# Altium PCB Zeus_PCB_Proto1.PcbDoc
Units mm, origin at the board's own origin, x right, y up, seen from the top; angles counter-clockwise.
Board outline 61.78 x 49.01 mm, 2 copper layers (Top Layer, Bottom Layer); 57 components, 44 nets, 219 pads, 34 vias.
Unrouted connection lines stored in the file: 20.
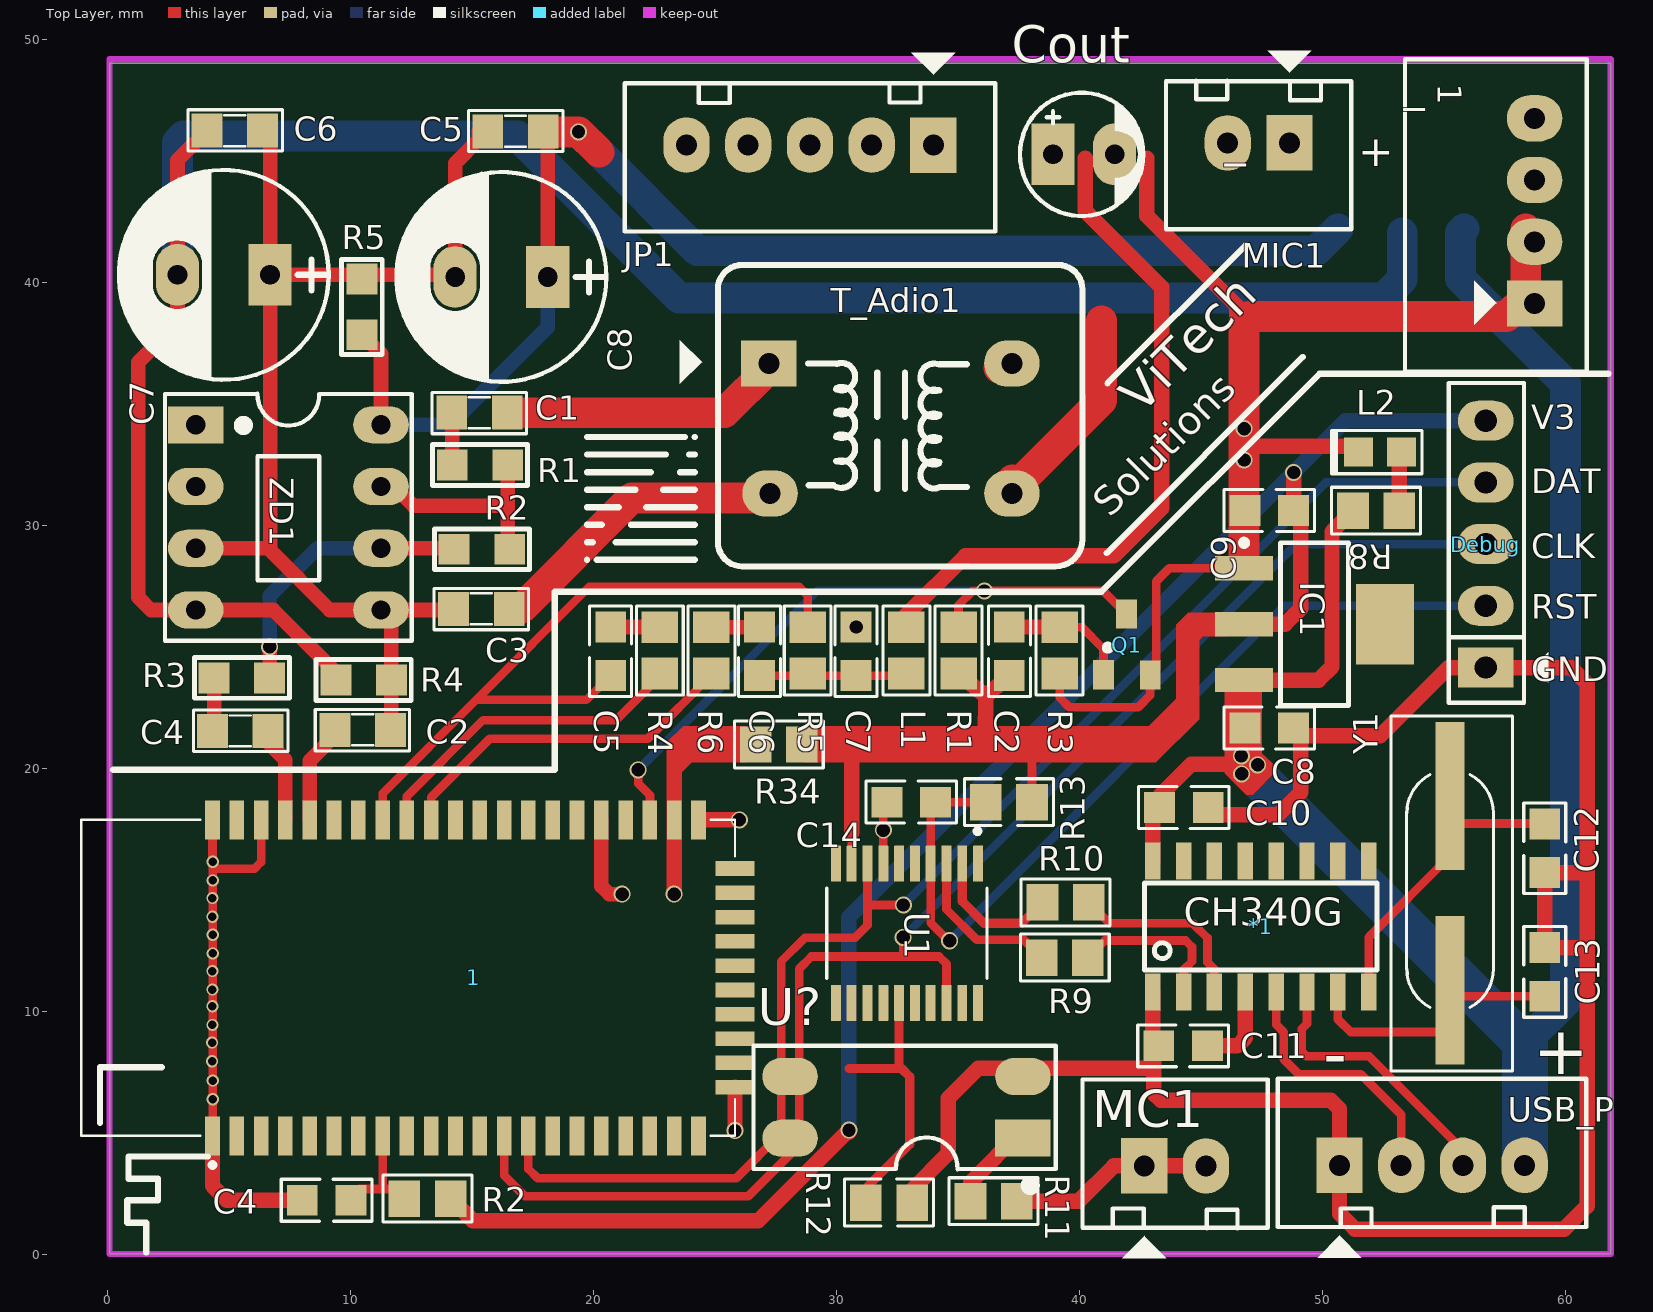
[diagram p0: Top Layer view]
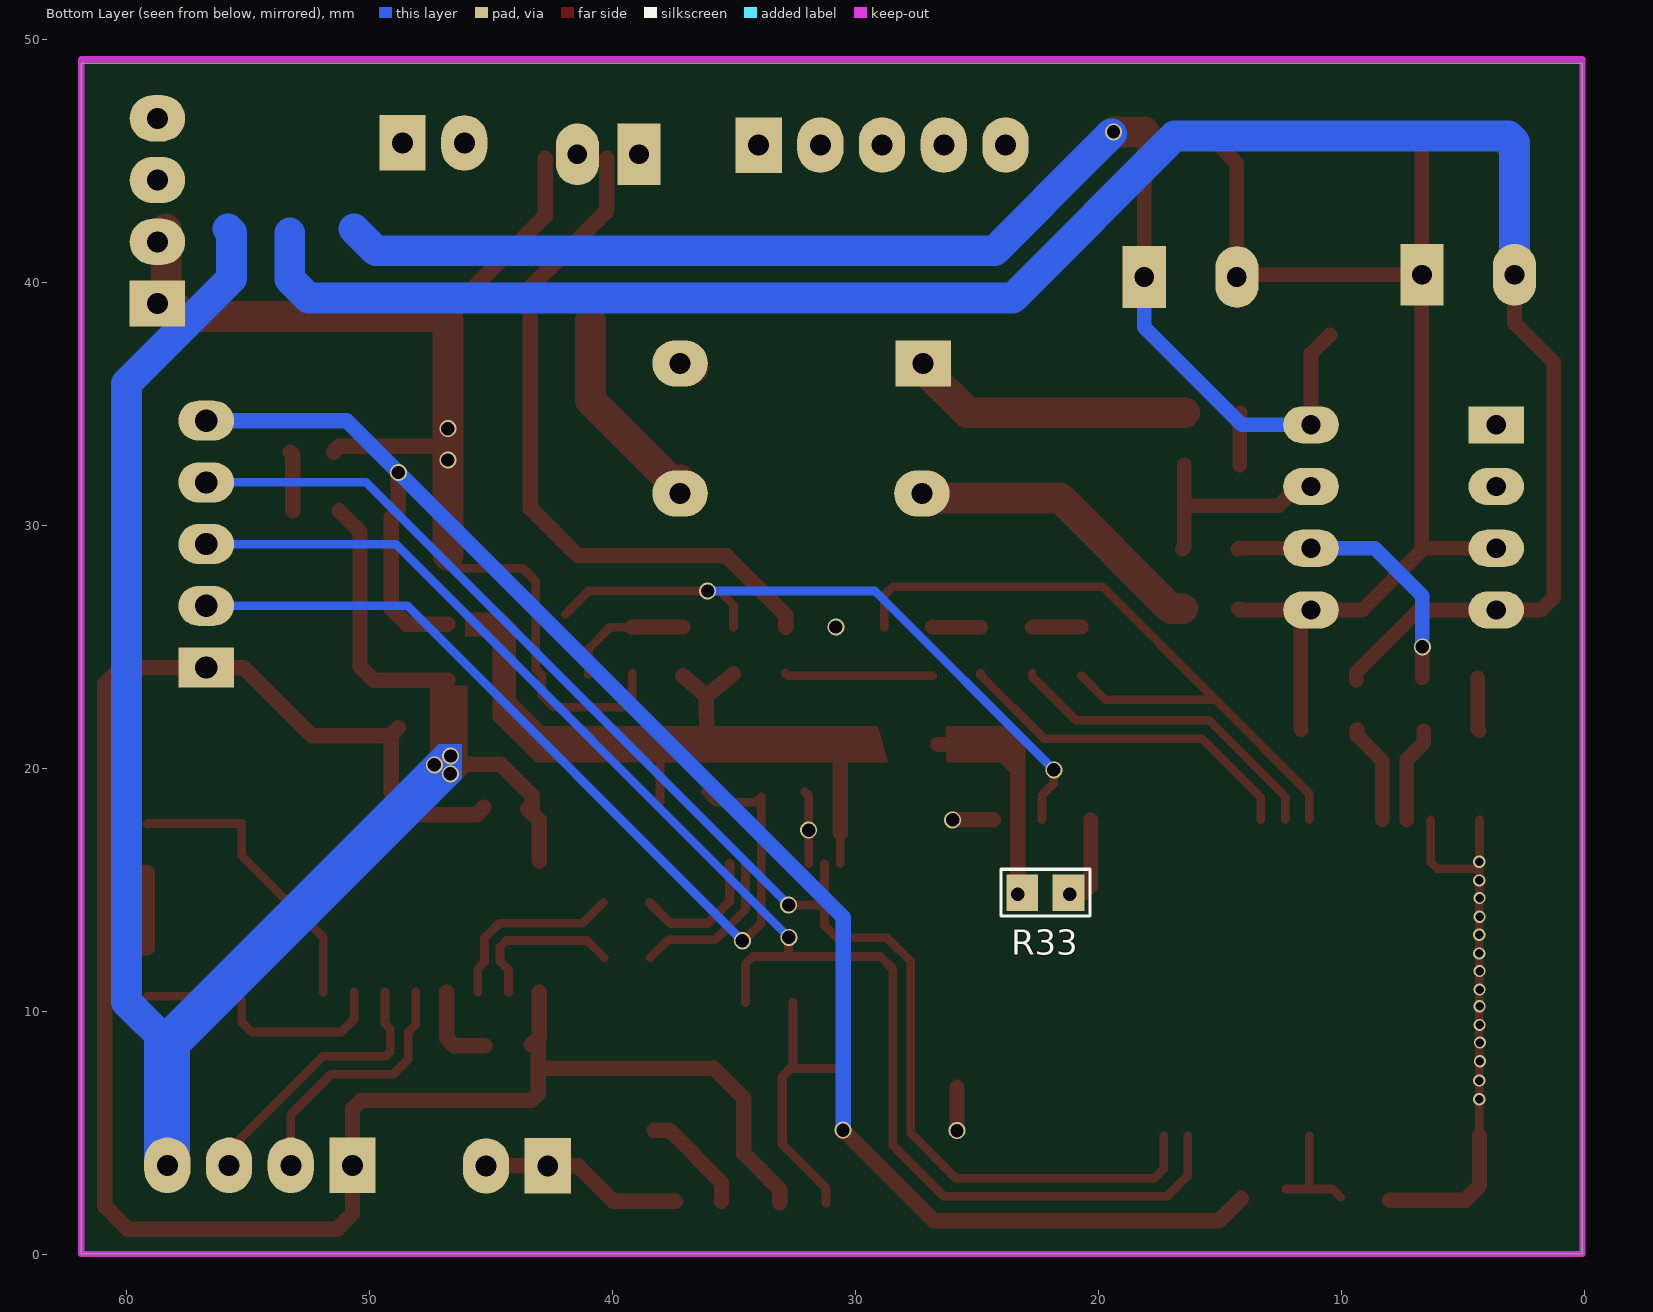
[diagram p1: Bottom Layer view, seen from below]
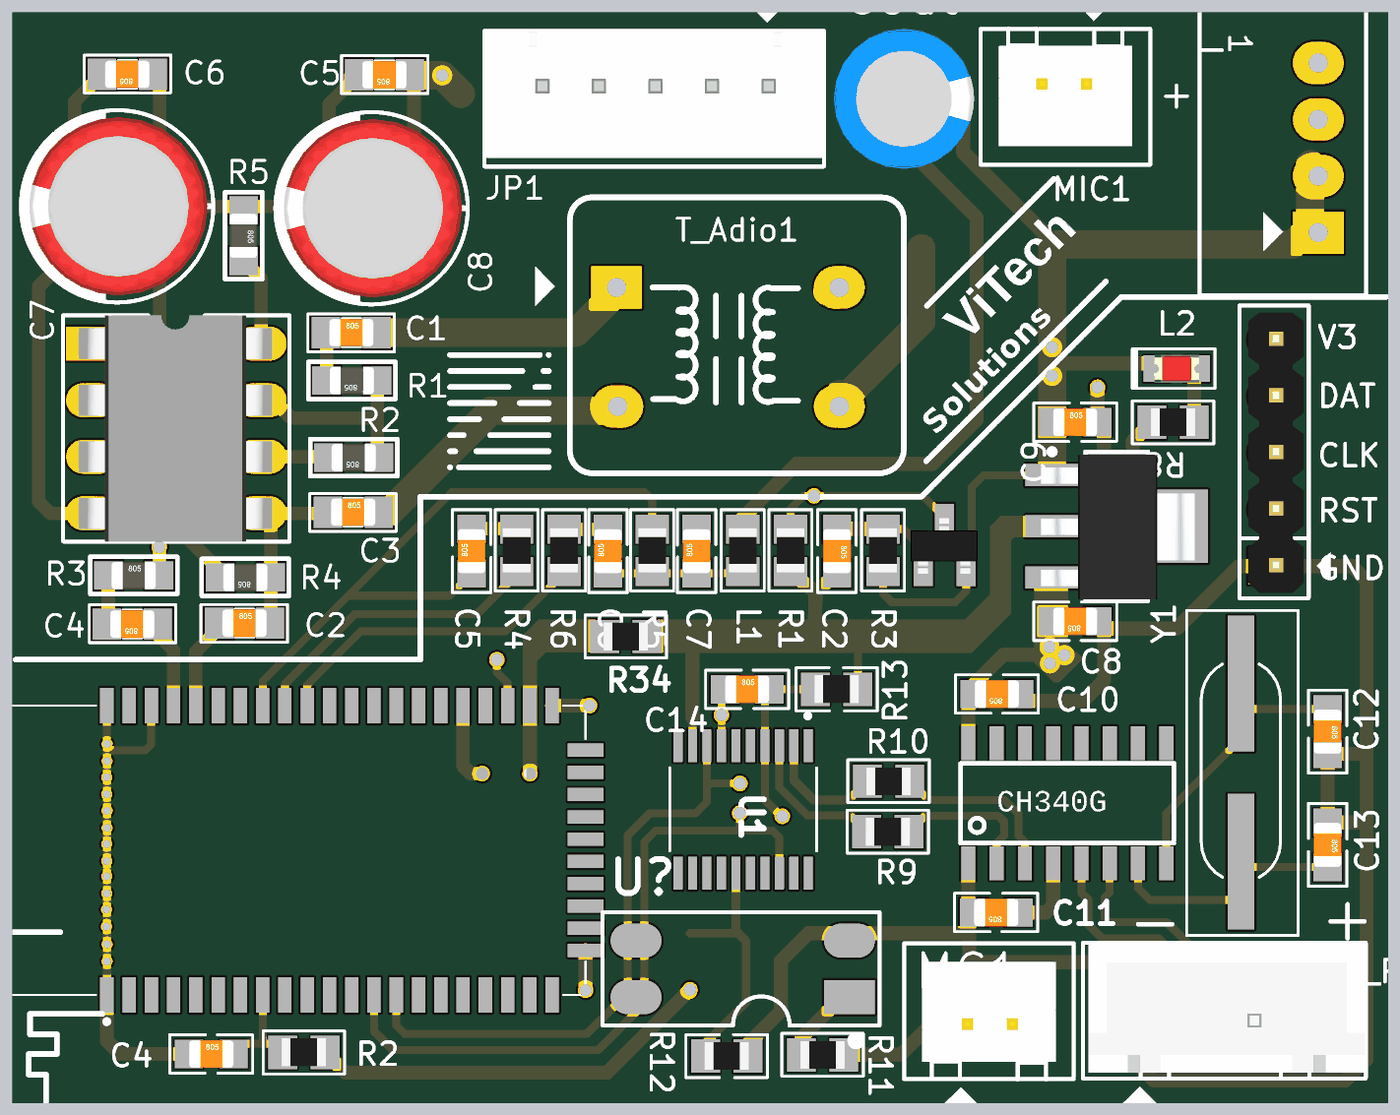
[diagram p2: 3D render of the assembled board from above, using the file's embedded part models]

## Layer stack, top to bottom
Top Solder: solder mask 0.0102, Solder Resist, Dk 3.5
Top Layer: signal copper 0.0356
Dielectric 1: dielectric 0.32, FR-4, Dk 4.8
Bottom Layer: signal copper 0.0356
Bottom Solder: solder mask 0.0102, Solder Resist, Dk 3.5

## Board outline
0.098,0.013 61.873,0.013 61.873,49.02 0.098,49.02

## Design rules (kind name [scope] priority, off if disabled: settings)
Clearance [All] p1: gap=0.381 ignorepadtopadclearanceinfootprint=FALSE
PlaneClearance [All] p1: clearance=1
PlaneConnect PlaneConnect_1 [All] p1: planeconnectstyle=Relief reliefexpansion=0.508 reliefentries=4 reliefconductorwidth=0.254 reliefairgap=0.254
PolygonConnect vias_connect [IsNamedPolygon('GND_BT_L01_P001') vs Isvia] p1: connectstyle=Direct reliefconductorwidth=0.254 reliefentries=4 polygonreliefangle="90 Angle" airgapwidth=0.254
PolygonConnect vias_connect_1 [IsNamedPolygon('GND_BT_L02_P000') vs Isvia] p2: connectstyle=Direct reliefconductorwidth=0.254 reliefentries=4 polygonreliefangle="90 Angle" airgapwidth=0.254
PolygonConnect Pad_connect [All] p3: connectstyle=Relief reliefconductorwidth=0.279 reliefentries=4 polygonreliefangle="90 Angle" airgapwidth=0.33
RoutingVias [All] p1: holewidth=0.55 width=0.7 viastyle="Through Hole" minholewidth=0.55 minwidth=0.7 maxholewidth=0.55 maxwidth=0.7
SolderMaskExpansion [All] p1: expansion=0.102
Width Width_1 [All] p1: maxlimit=1.27 minlimit=0.356 preferedwidth=0.635
28 further rules are at their usual default settings.

## Classes and differential pairs
component class Audio_preAMP: 1 C1 C2 C3 C4 C5 C6 C7 C8 Cout JP1 R1 R2 R3 R4 R5 T_Adio1 ZD1
component class Zeus_SCH_Proto1: 1 *1 C2 C4 C5 C6 C7 C8 C9 C10 C11 C12 C13 C14 Debug IC1 J5 JP_debug1 L1 L2 MC1 MIC1 Q1 R1 R2 R3 R4 R5 R6 R8 R9 R10 R11 R12 R13 R17 R33 R34 U1 U? USB_P Y1

## Components (designator, comment, footprint, x,y, rotation, side; value= is the part's Value field where it differs from the comment)
1 "" B0505S 58.74,39.125 r90 top
1 "FSC-BT806" FSCBT806 12.787,11.125 r90 top locked
*1 "CH340G" CH340G 47.47,13.489 r90 top
C1 "105" SM-CAP-0805 14.179,34.631 r0 top value=0,1uF/300V
C2 "105" SM-CAP-0805 9.378,21.58 r0 top value=0,1uF/300V
C2 "1uF-NC" CAP_0805 37.125,24.814 r270 top
C3 "105" SM-CAP-0805 14.259,26.563 r0 top value=0,1uF/300V
C4 "105" SM-CAP-0805 6.627,21.536 r180 top value=0,1uF/300V
C4 "100nF" CAP_0805 9.03,2.224 r0 top
C5 "105" SM-CAP-0805 17.947,46.212 r180 top value=0,1uF/300V
C5 "0.1µF" CAP_0805 20.722,24.813 r90 top
C6 "105" SM-CAP-0805 6.4,46.236 r180 top value=0,1uF/300V
C6 "0.1µF" CAP_0805 26.845,24.813 r90 top
C7 "220uF/35V" CP1.5/3.4 6.705,40.305 r180 top value=100uF/35V/50V
C7 "15pF" CAP_0805 30.823,24.813 r90 top
C8 "220uF/35V" CP1.5/3.4 18.131,40.217 r180 top value=100uF/35V/50V
C8 "1uF" CAP_0805 47.823,21.662 r180 top
C9 "4.7uF" CAP_0805 47.823,30.602 r0 top
C10 "0.1uF" CAP_0805 44.309,18.392 r180 top
C11 "0.1uF" CAP_0805 44.274,8.58 r180 top
C12 "22pF" CAP_0805 59.159,16.708 r270 top
C13 "22pF" CAP_0805 59.159,11.618 r270 top
C14 "0.1uF" CAP_0805 33.093,18.604 r0 top
Cout "47uF" CP1/2 38.92,45.263 r0 top value=10uF/50V
Debug "Jumper_5P_2.54_Male" JP5 56.733,24.145 r90 top
IC1 "LM1117" SOT223-4N 49.686,25.929 r0 top value=LM317
JP1 "JP5" CON5 34.001,45.646 r180 top value="Connector 5"
L1 "15nH" RES_0805 32.892,24.848 r90 top
L2 "LED_0805" LED_0805 52.379,33.009 r0 top
MC1 "Header_2P_2.54_Male" CON2 42.678,3.637 r0 top value="Connector 2"
MIC1 "Header_2P_2.54_Male" CON2 48.654,45.733 r180 top value="Connector 2"
Q1 "SI2302-NC" SOT23A 41.94,25.092 r0 top
R1 "1k" "RES_0805 - Dup" 14.2,32.479 r180 top
R1 "10K" RES_0805 35.037,24.848 r90 top
R2 "10K" RES_0805 13.184,2.291 r180 top
R2 "20K" "RES_0805 - Dup" 14.281,29.015 r180 top
R3 "2.2K" "RES_0805 - Dup" 6.689,23.722 r0 top
R3 "10K-NC" RES_0805 39.194,24.848 r270 top
R4 "10K" "RES_0805 - Dup" 9.414,23.634 r180 top
R4 "1K" RES_0805 22.741,24.848 r270 top
R5 "10K" "RES_0805 - Dup" 10.481,37.841 r270 top
R5 "2.2K" RES_0805 28.829,24.848 r90 top
R6 "1K" RES_0805 24.869,24.848 r270 top
R8 "1K" RES_0805 52.217,30.6 r180 top
R9 "100R" RES_0805 39.409,12.209 r0 top
R10 "100R" RES_0805 39.442,14.479 r0 top
R11 "1K" RES_0805 36.478,2.184 r0 top
R12 "1K" RES_0805 32.174,2.126 r180 top
R13 "10K" RES_0805 37.11,18.604 r180 top
R33 "0Ohm-NC" RES_0805 22.198,14.878 r180 bottom
R34 "0Ohm-NC" RES_0805 27.642,20.979 r180 top
T_Adio1 "T_Adio" T_Adito 32.131,35.21 r0 top value=BAX
U1 "MS51FB9AE" SOP65P640X120-20N 32.914,13.211 r270 top
U? "PC817_SMT" PC817_SMT 32.894,6.047 r90 top value=PC817
USB_P "Header_4P_2.54_Male" CON4 50.712,3.663 r0 top value="Connector 4"
Y1 "12MHz" XTAL_314_240X47_SMD 55.264,18.866 r270 top
ZD1 "DIP8" DIP8/W0.3 3.65,34.134 r270 top

## Footprints (in the part's own frame and the unit in brackets; to place one, negate y for a bottom-side part, rotate by r counter-clockwise, add the part's x,y. Pads: shape width x height; smd on the part's side, far side on the other; paste and mask are expansions set on the pad)
B0505S [mil] "CON4"
  rect 75x90 hole 34: 1(0,0)
  oval 75x90 hole 34: 2(100,0) 3(200,0) 4(300,0)
  silkscreen extent -111,-85 396,210
CAP_0805 [mm] "Ceramic Capacitor"
  rect 1.27x1.27 smd mask+0.076: 1(-1,0) 2(1,0)
  silkscreen extent -1.86,-0.86 1.86,0.86, body extent -1,-0.62 1,0.63, height 0.78
CH340G [mil]
  rect 60x25 smd: 1(-106.1,175) 2(-106.1,125) 3(-106.1,75) 4(-106.1,25) 5(-106.1,-25) 6(-106.1,-75) 7(-106.1,-125) 8(-106.1,-175) 9(106.1,-175) 10(106.1,-125) 11(106.1,-75) 12(106.1,-25) 13(106.1,25) 14(106.1,75) 15(106.1,125) 16(106.1,175)
  silkscreen extent -71,-189 71,189
CON2 [mil] "CON2"
  rect 75x90 hole 34: 1(0,0)
  oval 75x90 hole 34: 2(100,0)
  silkscreen extent -100,-150 200,140, body extent -68,-70 168,107, height 236
CON4 [mil] "B1205S"
  rect 75x90 hole 34: 1(0,0)
  oval 75x90 hole 34: 2(100,0) 3(200,0) 4(300,0)
  silkscreen extent -100,-150 400,140, body extent -90,-90 398,136, height 276
CON5 [mil] "CON5"
  rect 75x90 hole 34: 1(0,0)
  oval 75x90 hole 34: 2(100,0) 3(200,0) 4(300,0) 5(400,0)
  silkscreen extent -100,-150 500,140, body extent -101,-98 496,125, height 288
CP1.5/3.4 [mil] "Tu hoa 220->470uF,16V, 470uF/16V,25V"
  rect 70x100 hole 32: 1(0,0)
  oval 70x100 hole 32: 2(150,0)
  silkscreen extent -95,-170 245,170, body extent -85,-157 230,157, height 446
CP1/2 [mil] "Tu hoa < 22uF/16>50V"
  rect 70x100 hole 32: 1(0,0)
  oval 70x100 hole 32: 2(100,0)
  silkscreen extent -53,-100 147,100, body extent -76,-129 172,119, height 422
DIP8/W0.3 [mil] "8 PIN, W 300mil, Pin to pin 100mil"
  rect 60x90 hole 31: 1(0,0)
  oval 60x90 hole 31: 2(100,0) 3(200,0) 4(300,0) 5(300,300) 6(200,300) 7(100,300) 8(0,300)
  silkscreen extent -50,-50 350,350, body extent -50,-40 350,336, height 201
FSCBT806 [mm]
  rect 1.6x0.6 smd: 1(-6.25,8.45) 2(-6.25,7.45) 3(-6.25,6.45) 4(-6.25,5.45) 5(-6.25,4.45) 6(-6.25,3.45) 7(-6.25,2.45) 8(-6.25,1.45) 9(-6.25,0.45) 10(-6.25,-0.55) 11(-6.25,-1.55) 12(-6.25,-2.55) 13(-6.25,-3.55) 14(-6.25,-4.55) 15(-6.25,-5.55) 16(-6.25,-6.55) 17(-6.25,-7.55) 18(-6.25,-8.55) 19(-6.25,-9.55) 20(-6.25,-10.55) 21(-6.25,-11.55) 32(6.75,-11.55) 33(6.75,-10.55) 34(6.75,-9.55) 35(6.75,-8.55) 36(6.75,-7.55) 37(6.75,-6.55) 38(6.75,-5.55) 39(6.75,-4.55) 40(6.75,-3.55) 41(6.75,-2.55) 42(6.75,-1.55) 43(6.75,-0.55) 44(6.75,0.45) 45(6.75,1.45) 46(6.75,2.45) 47(6.75,3.45) 48(6.75,4.45) 49(6.75,5.45) 50(6.75,6.45) 51(6.75,7.45) 52(6.75,8.45)
  rect 0.6x1.6 smd: 22(-4.25,-13.05) 23(-3.25,-13.05) 24(-2.25,-13.05) 25(-1.25,-13.05) 26(-0.25,-13.05) 27(0.75,-13.05) 28(1.75,-13.05) 29(2.75,-13.05) 30(3.75,-13.05) 31(4.75,-13.05)
  silkscreen extent -7.55,-13.05 6.75,13.85, body extent -6.22,-13.08 6.73,13.84, height 0.25
JP5 [mil] "JP5"
  rect 65x90 hole 36: 1(0,0)
  oval 65x90 hole 36: 2(100,0) 3(200,0) 4(300,0) 5(400,0)
  silkscreen extent -57,-101 461,60, body extent -48,-53 448,45, height 323
LED_0805 [mm] "LED"
  rect 1.2x1.2 smd mask+0.076: A(0.889,0) K(-0.889,0)
  silkscreen extent -1.99,-0.89 1.73,0.89, body extent -1.01,-0.62 1.01,0.63, height 1.1
PC817_SMT [mil] "4 PIN, W 300mil, Pin to pin 100mil"
  rect 60x90 smd: 1(-50,-188.68)
  oval 60x90 smd: 2(50,-188.68) 3(50,188.68) 4(-50,188.68)
  silkscreen extent -135,-242 100,248
RES_0805 [mm] "Resister"
  rect 1.3x1.5 smd mask+0.076: 1(0.95,0) 2(-0.95,0)
  silkscreen extent -1.83,-0.97 1.83,0.97, body extent -1,-0.63 1,0.62, height 0.5
"RES_0805 - Dup" [mil] "Resister"
  rect 50x50 smd: 1(0,0) 2(-90,0)
  silkscreen extent -122,-33 32,33, body extent -84,-25 -6,25, height 31
SM-CAP-0805 [mil]
  rect 50x55 smd: 1(0,0) 2(90,0)
  silkscreen extent -32,-34 121,33, body extent 6,-25 84,25, height 31
SOP65P640X120-20N [mm]
  rrect10% 1.48x0.41 smd: 1(-2.865,2.925) 2(-2.865,2.275) 3(-2.865,1.625) 4(-2.865,0.975) 5(-2.865,0.325) 6(-2.865,-0.325) 7(-2.865,-0.975) 8(-2.865,-1.625) 9(-2.865,-2.275) 10(-2.865,-2.925) 11(2.865,-2.925) 12(2.865,-2.275) 13(2.865,-1.625) 14(2.865,-0.975) 15(2.865,-0.325) 16(2.865,0.325) 17(2.865,0.975) 18(2.865,1.625) 19(2.865,2.275) 20(2.865,2.925)
  silkscreen extent -4.3,-3.3 1.87,3.3
SOT23A [mm] "SOT 23A"
  rect 0.85x1.2 smd: 1(-0.94,-1.245) 2(0.005,1.25) 3(0.985,-1.25)
  silkscreen extent -0.88,-0.25 -0.64,0, body extent -1.5,-1.3 1.5,1.2, height 1.06
SOT223-4N [mm] "SOT223, 4-Leads, Body 6.5x3.5mm, Pitch 2.3mm, Lead Span 7mm, IPC Medium Density"
  rect 2.4x1 smd: 1(-2.9,2.3) 2(-2.9,0) 3(-2.9,-2.3)
  rect 2.4x3.3 smd: 4(2.9,0)
  silkscreen extent -3.02,-3.35 1.4,3.47, body extent -3.39,-3.27 3.5,3.23, height 1.72
T_Adito [mm]
  rect 2.286x1.905 hole 0.864: 1(-4.9,1.45)
  oval 2.286x1.905 hole 0.864: 2(-4.85,-3.9) 3(5.1,-3.9) 4(5.1,1.45)
  silkscreen extent -8.56,-6.9 8,5.5
XTAL_314_240X47_SMD [mm] "CASE: TH"
  rect 6.096x1.2 smd: 1(0,0) 2(8,0)
  silkscreen extent -3.29,-2.44 11.32,2.57, body extent -2.99,-2.27 10.9,2.41, height 3.05

## Part data
1: library part B0505S, "5V to 5V"
C1 C2 C3 C4 C5 C6: library part CN, Designed by=VanDungEvn
C2 C8: library part CAP_1uF-50V-5%-0805, "1µF ±5% 50V Ceramic Capacitor X7R 0805 (2012 Metric)", Case/Package="0805 (2012 Metric)", Manufacturer=Yageo, Manufacturing Part Number=CC0805JKX7R9BB105, Supplier Part Number-1=311-3498-1-ND, Supplier-1=Digikey
C4: library part CAP_1uF-50V-5%-0805, "100µF ±5% 50V Ceramic Capacitor X7R 0805 (2012 Metric)", Case/Package="0805 (2012 Metric)", Manufacturer=Yageo, Manufacturing Part Number=CC0805JKX7R9BB105, Supplier Part Number-1=311-3498-1-ND, Supplier-1=Digikey
C5 C6 C7 C10 C11 C14: library part CAP_0.1uF-50V-5%-0805, "0.1µF ±5% 50V Ceramic Capacitor X7R 0805 (2012 Metric)", Case/Package="0805 (2012 Metric)", Manufacturer=KEMET, Manufacturing Part Number=C0805C104J5RACTU, Supplier Part Number-1=399-1171-1-ND, Supplier-1=Digikey
C7 C8: library part CP3, "Cap 100uF/35V - 470uF/16V", Description 1="1000uF/6,3V - 470uF/16V - 330uF - 25V", Description 2="220uF/35V - 100uF/50V - 63V - 4,7uF/200V", Description 3="22uF => 33uF100V - 3,3uF => 4,7uF/250V", Description 4="2,2uF =>3,3uF/350 - 2,2uF/400V - 1uF/450V"
C9: library part CAP_1uF-50V-5%-0805, "4.7µF ±5% 50V Ceramic Capacitor X7R 0805 (2012 Metric)", Case/Package="0805 (2012 Metric)", Manufacturer=Yageo, Manufacturing Part Number=CC0805JKX7R9BB105, Supplier Part Number-1=311-3498-1-ND, Supplier-1=Digikey
C12 C13: library part CAP_22pF-50V-5%-0805, "22pF ±5% 50V Ceramic Capacitor C0G, NP0 0805 (2012 Metric)", Case/Package=0805, Manufacturer=KEMET, Manufacturer Part Number=C0805C220J5GACTU, Supplier Part Number-1=399-1113-1-ND, Supplier-1=Digikey
Cout: library part CP1, "Cap P  0,1uF < 22uF , 16 - 50V", Description 1="10 => 220uF/6,3V/10V - 10uF => 100uF/16V", Description 2="0,1uF => 33uF/50V - 10uF => 22uF/63V", Description 3="0,47uF => 10uF/100V"
Debug: library part JP5
IC1: "Available in 1.8V, 2.5V, 2.85V, 3.3V, 5V, and  Adjustable Versions"
JP1: library part Con5, "Connector 5"
L1: library part RES_1K-0.125W-1%-0805, "Conductor 15nH", Case/Package=0805, Manufacturer=??á, Manufacturer Part Number=RC0805FR-071KL, Supplier Part Number-1=311-1.00KCRCT-ND, Supplier-1=Digikey
L2: library part LED-RED_10mA-0805, "Red 621nm LED Indication - Discrete 2V 0805 (2012 Metric)", Case/ Package=0805, Manufacturer="Lite-On Inc.", Manufacturer Part Number=LTST-C170EKT, Supplier Part Number-1=160-1178-1-ND, Supplier-1=Digikey
MC1 MIC1: library part Con2, "Connector 2"
Q1: library part DV3
R1 R2 R3 R4 R5: library part RES_10K, "Resistor 10K value Chip Resistor 0805 Moisture Resistant Thick Film", Case/Package=0805, Manufacturer=??á, Manufacturer Part Number=RC0805FR-071KL, Supplier Part Number-1=311-1.00KCRCT-ND, Supplier-1=Digikey
R1 R2 R3 R4 R6: library part RES_10K-0.125W-1%-0805_1, "10 kOhms ±1% 0.125W, 1/8W Chip Resistor 0805 (2012 Metric) Moisture Resistant Thick Film", Case/Package=0805, Manufacturer=Yageo, Manufacturing Part Number=RC0805FR-0710KL, Supplier Part Number-1=311-10.0KCRCT-ND, Supplier-1=Digikey
R5: library part RES_10K-0.125W-1%-0805_1, "2.2kOhms ±1% 0.125W, 1/8W Chip Resistor 0805 (2012 Metric) Moisture Resistant Thick Film", Case/Package=0805, Manufacturer=Yageo, Manufacturing Part Number=RC0805FR-0710KL, Supplier Part Number-1=311-10.0KCRCT-ND, Supplier-1=Digikey
R8: library part RES_10K-0.125W-1%-0805_1, "1 kOhms ±1% 0.125W, 1/8W Chip Resistor 0805 (2012 Metric) Moisture Resistant Thick Film", Case/Package=0805, Manufacturer=Yageo, Manufacturing Part Number=RC0805FR-0710KL, Supplier Part Number-1=311-10.0KCRCT-ND, Supplier-1=Digikey
R9 R10: library part RES_0ohm-0.125W-1%-0805_1, "1000Ohms ±1% 0.125W, 1/8W Chip Resistor 0805 (2012 Metric) Moisture Resistant Thick Film", Case/Package=0805, Manufacturer=??á, Manufacturer Part Number=RC0805FR-071KL, Supplier Part Number-1=311-1.00KCRCT-ND, Supplier-1=Digikey
R11 R12: library part RES_1K-0.125W-1%-0805, "1 kOhms ±1% 0.125W, 1/8W Chip Resistor 0805 (2012 Metric) Moisture Resistant Thick Film", Case/Package=0805, Manufacturer=??á, Manufacturer Part Number=RC0805FR-071KL, Supplier Part Number-1=311-1.00KCRCT-ND, Supplier-1=Digikey
R13: library part RES_10MOHM-0.125W-1%-0805, "10K ±1% 0.125W, 1/8W Chip Resistor 0805 (2012 Metric) Automotive AEC-Q200, High Voltage Thick Film", Case/Package="0805 (2012 Metric)", Manufacturer="Rohm Semiconductor", Manufacturing Part Number=KTR10EZPF1005, Supplier Part Number-1=RHM10.0MAHCT-ND, Supplier-1=Digikey
R33 R34: library part RES_0ohm-0.125W-1%-0805_1, "0Ohms ±1% 0.125W, 1/8W Chip Resistor 0805 (2012 Metric) Moisture Resistant Thick Film", Case/Package=0805, Manufacturer=??á, Manufacturer Part Number=RC0805FR-071KL, Supplier Part Number-1=311-1.00KCRCT-ND, Supplier-1=Digikey
T_Adio1: "Transformer Audio", Designed by=VanDungEvn
U1: library part N76E003AT20, "8051 MS51  Microcontroller IC 8-Bit 16MHz 18KB _18K x 8_ FLASH 20-TSSOP", Package="TSSOP-20 Nuvoton Technology", Availability=Unavailable, MF="Nuvoton Technology", MP=N76E003AT20, Price=None, SnapEDA_Link=https://www.snapeda.com/parts/N76E003AT20/Nuvoton%20Technology%20Corporation%20of%20America/view-part/652314/?ref=snap
U?: "Single Opto"
USB_P: library part Con4, "Connector 4"
Y1: library part XTAL_8MHZ-LFXTAL030234, "Crystals 8MHz 22pF -20C 70C", Case/Package=SMD, Manufacturer="IQD Frequency Products", Manufacturing Part Number=LFXTAL030234Reel, Supplier Part Number-1=449-LFXTAL030234REEL, Supplier-1=Mouser

## Via types
v1: diameter 0.7, hole 0.55, Top Layer to Bottom Layer, 20 vias
v2: diameter 0.5, hole 0.35, Top Layer to Bottom Layer, 14 vias

## Nets (pads, with @x,y where several pads share a name; then routed paths per layer and width w, separated by ;. In a path a pad name is that pad's centre, name@x,y a point inside that pad or via, vN(x,y) a via of type N, cw(c..) or ccw(c..) an arc to the next point about the centre after c; other vN are vias at no path point)
3V3: C2.2@37.125,23.814 C9.2 Debug.5 IC1.2 R1.2@35.037,23.898 R2.2@14.134,2.291 R13.2 R34.2 U1.9 U?.4 | length 80.9
  Top Layer w0.356: U1.9 30.639,17.35 ; R13.2 38.06,20.401
  Top Layer w0.635: R2.2@14.13,2.301 15.046,1.385 26.803,1.385 v1(30.527,5.109) v1@30.527,5.013 ; 30.639,17.35 30.639,20.591 ; R1.2@35.037,23.898 35.122,23.814 36.158,22.964 ; 36.133,21.285 36.158,22.964 ; C2.2@37.125,23.814 36.158,22.964 ; IC1.2 48.474,25.929 49.118,26.572 49.118,30.308 C9.2 v1(48.823,32.173)
  Bottom Layer w0.635: v1(30.527,5.109) 30.527,13.876 v1(48.823,32.173) 50.956,34.305 Debug.5
BL_3V3: 1.33 R33.2 R34.1 | length 9
  Top Layer w0.635: v1(23.337,14.821) 1.33 23.337,20.123 24.191,20.977 R34.1@26.634,20.977
CLK: 1.13 Debug.3 U1.18 | length 61.7
  Top Layer w0.356: 1.13 16.337,3.244 17.189,2.392 26.384,2.392 28.477,4.485 28.477,11.746 28.988,12.257 32.769,12.257 ; v1(32.754,13.041) 32.769,13.026 32.769,12.257 ; U1.18 34.539,11.952 34.234,12.257 32.769,12.257
  Bottom Layer w0.356: v1(32.754,13.041) 48.937,29.225 Debug.3
DAT: 1.14 Debug.4 U1.8 | length 59.2
  Top Layer w0.356: 1.14 17.337,3.509 17.716,3.129 25.885,3.129 27.733,4.978 27.733,12.044 28.716,13.026 30.776,13.026 31.289,13.539 31.289,14.205 ; U1.8 31.289,14.205 ; v1(32.765,14.376) 31.46,14.376 31.289,14.205
  Bottom Layer w0.356: v1(32.765,14.376) 50.154,31.765 Debug.4
DC_CHECK: R12.1 U1.15 U?.3 | length 11.1
  Top Layer w0.381: 30.527,7.649 32.688,7.649 33.034,7.304 33.034,4.53 31.223,2.72 R12.1 ; 32.589,7.812 U1.15
GND_BT: 1.1 1.22 1.32 1.50 1.52 *1.1 C4.1@8.03,2.224 C7.2@30.823,25.814 C8.1@48.823,21.662 C9.1 C10.1 C11.2 C12.2 C13.1 C14.1 Debug.1 IC1.1 L2.K MIC1.1 Q1.3 R3.1@39.194,23.898 R12.2 U1.7 U?.2 USB_P.1 | length 172.7
  Top Layer w0.356: 1.1@4.337,4.875 4.348,4.886 v2(4.348,7.15) 4.348,8.711 4.348,10.205 v2(4.348,12.383) v2(4.348,13.15) v2(4.348,15.383) 4.348,15.869 ; v2@4.337,16.15 1.52 ; v2(4.348,16.15) 4.348,15.869 ; 1.50 6.337,16.143 6.063,15.869 4.348,15.869 ; U1.7 v1(31.939,17.452) 31.939,18.866 C14.1@32.1,19.027 ; R3.1@39.194,23.898 39.194,22.91 39.593,22.511 42.426,22.511 42.925,23.011 Q1.3 43.176,24.093 43.176,27.697 43.707,28.229 IC1.1@46.242,28.229
  Top Layer w0.635: 1.1@4.337,4.875 4.337,2.817 4.93,2.224 C4.1@8.03,2.224 ; 1.32 v1(26.015,17.875) ; v1(25.837,5.087) 1.22 ; R12.2 33.123,2.655 34.609,4.14 34.609,6.414 35.844,7.649 38.297,7.649 43.069,7.649 ; 42.789,45.114 42.789,42.734 46.483,39.041 46.483,35.992 ; *1.1 43.025,8.947 C11.2@43.351,8.621 ; C11.2@43.353,8.619 C11.2@43.351,8.621 ; C10.1 45.617,18.084 48.186,18.084 49.121,19.019 C8.1@49.121,21.364 ; v1@46.519,32.514 46.786,32.781 47.255,33.251 51.248,33.251 L2.K ; C8.1@48.823,21.662 C8.1@49.121,21.364 ; 60.647,12.618 C13.1 C12.2 60.879,15.708 60.902,15.684 ; 43.069,7.649 43.069,8.591 43.039,8.621 C11.2@43.351,8.621 ; 43.069,7.649 43.069,6.624 43.346,6.347 50.351,6.347 50.712,5.985 USB_P.1 50.712,1.674 51.347,1.04 59.96,1.04 60.902,1.982 60.902,15.684 ; C8.1@49.121,21.364 49.149,21.337 52.386,21.337 55.194,24.145 Debug.1 60.244,24.145 60.902,23.486 60.902,15.684
  Top Layer w1.27: 46.786,28.773 v1(46.786,32.688) 46.786,32.781 v1(46.786,33.974) 46.786,38.389 46.985,38.588 57.591,38.588 58.377,39.374 58.377,42.199
  other v1: 30.823,25.814
  other v2: 4.348,6.382 4.321,7.944 4.321,8.711 4.334,9.437 4.334,10.205 4.334,10.89 4.334,11.657 4.334,13.89 4.334,14.657
GND_Pre: C2.2@11.664,21.58 C3.1 C5.2@15.661,46.212 C6.1@6.4,46.236 C7.1@6.705,40.305 C8.2@14.321,40.217 R4.2@11.7,23.634 R5.2@10.481,40.127 ZD1.3 ZD1.5 | length 48.1
  Top Layer w0.6: ZD1.3 6.469,29.054 ; C6.1@6.247,46.223 6.584,46.223 6.705,46.103 C7.1@6.705,40.305 ; C2.2@11.664,21.58 11.7,21.617 11.7,23.634 11.7,26.35 ZD1.5@11.865,26.514 ; C3.1 14.211,26.514 ZD1.5@11.865,26.514 ; C5.2@15.3,46.223 15.3,45.875 14.321,44.896 14.321,40.217 14.232,40.305 C7.1@6.705,40.305 ; C7.1@6.705,40.305 6.705,28.968 9.159,26.514 ZD1.5 ZD1.5@11.865,26.514
Net1_3: 1.3@58.74,44.205 C6.2@4.114,46.236 C7.2@2.895,40.305 R4.1@9.414,23.634 ZD1.4 | length 91
  Top Layer w0.6: C6.2@4.114,46.236 2.895,45.017 2.895,40.305 2.895,38.319 1.279,36.703 1.279,27.039 1.804,26.514 ZD1.4 6.844,26.514 9.414,23.943 R4.1@9.414,23.634
  Bottom Layer w1.27: C7.2@2.895,40.305 2.895,45.764 3.146,46.015 16.882,46.015 23.54,39.357 52.517,39.357 53.297,40.137 53.297,42.024
Net1_4: 1.4@58.74,46.745 C5.1@17.947,46.212 C8.1@18.131,40.217 R5.1@10.481,37.841 ZD1.8 | length 56.6
  Top Layer w0.6: R5.1@10.481,37.841 11.27,37.052 ZD1.8 ; C8.1@18.131,40.217 C5.1@18.131,46.189
  Top Layer w1.27: C5.1@18.131,46.189 v1(19.399,46.189) 20.237,45.351
  Bottom Layer w0.6: ZD1.8 14.111,34.134 18.131,38.154 C8.1@18.131,40.217
  Bottom Layer w1.27: v1@19.475,46.112 20.237,45.351 24.293,41.294 49.743,41.294 50.648,42.199
Net1_8: 1.8 C4.2@10.03,2.224 R2.1@12.234,2.291 | length 4.5
  Top Layer w0.356: C4.2@10.041,2.352 10.375,2.686 11.337,2.686 1.8 ; 11.406,2.685 R2.1@12.3,2.685
Net1_34: 1.34 Q1.2 R1.1@35.037,25.798 | length 28
  Top Layer w0.356: v1(21.854,19.935) 21.854,19.374 22.337,18.891 1.34 ; R1.1@35.037,25.798 35.037,26.714 35.62,27.297 v1(36.101,27.297) 40.99,27.297 Q1.2
  Bottom Layer w0.356: v1(21.854,19.935) 29.216,27.297 v1(36.101,27.297)
Net1_36: 1.36 R33.1 | length 3.7
  Top Layer w0.6: 1.36 20.337,15.156 20.672,14.82 v1(21.194,14.82)
  Bottom Layer w0.6: R33.1@21.179,14.835 v1(21.194,14.82)
Net1_43: 1.43 R6.1 | length 14.6
  Top Layer w0.356: 1.43 13.337,18.805 15.742,21.21 22.244,21.21 24.869,23.836 R6.1
Net1_44: 1.44 R4.1@22.742,23.898 | length 13.5
  Top Layer w0.356: 1.44 12.337,18.847 15.472,21.983 20.951,21.983 22.742,23.773 R4.1@22.742,23.898
Net1_45: 1.45 C5.1@20.722,23.814 R5.1@28.829,25.798 | length 29.5
  Top Layer w0.356: 1.45 11.337,18.967 15.184,22.814 15.188,22.814 ; C5.1@20.722,23.814 19.722,22.814 15.188,22.814 ; R5.1@28.829,25.798 28.829,27.121 28.475,27.476 19.85,27.476 15.188,22.814
Net1_48: 1.48 C2.1@9.378,21.58 | length 4.1
  Top Layer w0.6: 1.48 8.337,20.315 9.378,21.356 C2.1@9.378,21.58
Net1_49: 1.49 C4.1@6.627,21.536 | length 4
  Top Layer w0.6: C4.1@6.627,21.536 6.627,21.055 7.337,20.344 1.49
Net*1_2: *1.2 R9.1 | length 6.7
  Top Layer w0.356: R9.1 41.064,12.915 44.373,12.915 44.641,12.647 44.641,12.052 44.295,11.706 *1.2
Net*1_3: *1.3 R10.1 | length 7.8
  Top Layer w0.356: R10.1 41.248,13.623 44.672,13.623 45.281,13.014 45.281,12.021 45.565,11.738 *1.3
Net*1_4: *1.4 C11.1 | length 3.6
  Top Layer w0.635: C11.1 46.51,8.58 46.835,8.905 *1.4
Net*1_5: *1.5 USB_P.2 | length 10.8
  Top Layer w0.356: *1.5 48.105,9.456 48.418,9.142 48.418,8.026 49.035,7.409 51.59,7.409 53.252,5.747 USB_P.2
Net*1_6: *1.6 USB_P.3 | length 11.5
  Top Layer w0.356: *1.6 49.375,9.49 49.155,9.27 49.155,8.336 49.34,8.15 49.34,8.146 51.927,8.146 55.792,4.281 USB_P.3
Net*1_7: *1.7 C13.2 Y1.2 | length 11
  Top Layer w0.356: *1.7 50.645,9.677 51.172,9.149 54.863,9.149 55.264,9.55 55.264,10.439 55.444,10.618 C13.2
Net*1_8: *1.8 C12.1 Y1.1 | length 12.2
  Top Layer w0.356: *1.8 51.915,13.045 55.264,16.395 55.264,17.728 59.139,17.728 C12.1
NetC1_1: C1.1 R1.1@14.2,32.479 | length 2.2
  Top Layer w0.6: C1.1 14.2,34.609 R1.1@14.2,32.479
NetC1_2: C1.2 T_Adio1.1 | length 11.5
  Top Layer w1.27: C1.2 25.402,34.631 T_Adio1.1@27.248,36.477
NetC2_1: C2.1@37.125,25.814 Q1.1 R3.2@39.194,25.798 | length 5.3
  Top Layer w0.356: R3.2@39.194,25.798 40.114,25.798 41,24.913 Q1.1
  Top Layer w0.635: C2.1@37.125,25.814 39.179,25.814 R3.2@39.194,25.798
NetC3_2: C3.2 T_Adio1.2 | length 12.6
  Top Layer w1.27: C3.2 17.022,26.563 21.587,31.127 T_Adio1.2@27.298,31.127
NetC4_2: C4.2@4.341,21.536 R3.2@4.403,23.722 | length 2.2
  Top Layer w0.6: C4.2@4.341,21.536 4.403,21.598 R3.2@4.403,23.722
NetC5_2: C5.2@20.722,25.814 R4.2@22.742,25.798 | length 2
  Top Layer w0.6: C5.2@20.722,25.814 22.726,25.814 R4.2@22.742,25.798
NetC6_1: C6.1@26.845,23.814 C7.1@30.823,23.814 L1.2 R5.2@28.829,23.898 | length 6.1
  Top Layer w0.356: C6.1@26.845,23.814 30.823,23.814 32.807,23.814 L1.2
NetC6_2: C6.2@26.845,25.814 R6.2 | length 2
  Top Layer w0.6: R6.2 26.83,25.798 C6.2@26.845,25.814
NetCout_1: Cout.1 JP1.1 JP1.2 JP1.4 JP1.5 T_Adio1.3 | length 9.2
  Top Layer w1.27: T_Adio1.3@37.248,31.127 T_Adio1.3@37.248,31.464 ; T_Adio1.3@37.248,31.866 T_Adio1.3@37.248,31.464 ; 40.915,38.417 40.915,35.13 T_Adio1.3@37.248,31.464
NetCout_2: Cout.2 JP1.3 T_Adio1.4 | length 0.6
  Top Layer w1.27: T_Adio1.4@36.694,36.477 T_Adio1.4@37.248,36.477
NetL1_1: L1.1 MIC1.2 | length 28.6
  Top Layer w0.635: L1.1 32.892,26.318 35.314,28.74 41.429,28.74 43.397,30.709 43.397,39.788 40.249,42.936 40.249,45.114
NetL2_A: L2.A R8.2 | length 2.5
  Top Layer w0.635: R8.2 53.167,32.908 L2.A
NetMC1_1: MC1.1 MC1.2 R11.1 | length 8.4
  Top Layer w0.635: R11.1 39.978,2.184 41.431,3.637 MC1.1 MC1.2
NetR1_2: R1.2@16.486,32.479 R2.2@16.567,29.015 ZD1.7 | length 9
  Top Layer w0.6: ZD1.7 11.815,31.594 12.608,30.801 16.486,30.801 ; R1.2@16.486,32.479 16.486,30.801 ; R2.2@16.567,29.015 16.486,29.096 16.486,30.801
NetR2_1: R2.1@14.281,29.015 R3.1@6.689,23.722 ZD1.6 | length 11.8
  Top Layer w0.6: R3.1@6.689,23.722 v1(6.689,24.998) ; ZD1.6 14.242,29.054 R2.1@14.281,29.015
  Bottom Layer w0.6: v1(6.689,24.998) 6.689,27.1 8.643,29.054 ZD1.6
NetR11_2: R11.2 U?.1 | length 4.4
  Top Layer w0.635: R11.2 35.528,2.962 37.675,5.109 U?.1@38.297,5.109
NRST: C14.2 Debug.2 R13.1 U1.4 | length 36.6
  Top Layer w0.356: v1(34.67,12.902) 34.624,12.902 33.889,13.638 U1.4 33.889,18.816 34.1,18.604 35.768,18.604 R13.1@36.19,19.027
  Bottom Layer w0.356: v1(34.67,12.902) 48.452,26.685 Debug.2
RX0: R9.2 U1.3 | length 6.6
  Top Layer w0.356: U1.3 34.539,14.193 35.788,12.945 37.724,12.945 R9.2
RX_PL: R10.2 U1.2 | length 5.6
  Top Layer w0.381: U1.2 35.189,14.524 36.085,13.628 37.64,13.628 R10.2
VCC: 1.2@58.74,41.665 *1.16 C8.2@46.823,21.662 C10.2 IC1.3 R8.1 USB_P.4 | length 55.3
  Top Layer w0.635: *1.16 43.025,17.853 C10.2@43.505,18.333 ; C10.2 43.309,18.86 44.61,20.16 46.201,20.16 ; C8.2@46.823,21.662 46.823,23.591 IC1.3 49.853,23.629 50.403,24.178 50.403,29.736 R8.1
  Bottom Layer w1.27: 55.837,42.199 55.69,42.053 55.69,40.153 60.009,35.834 60.009,10.389 58.294,8.674 58.294,8.305
  other v1: 46.688,19.772 47.345,20.138 46.67,20.504
pads on no net: 1.2@5.337,4.875 1.3@6.337,4.875 1.4@7.337,4.875 1.5 1.6 1.7 1.9 1.10 1.11 1.12 1.15 1.16 1.17 1.18 1.19 1.20 1.21 1.23 1.24 1.25 1.26 1.27 1.28 1.29 1.30 1.31 1.35 1.37 1.38 1.39 1.40 1.41 1.42 1.46 1.47 1.51 *1.9 *1.10 *1.11 *1.12 *1.13 *1.14 *1.15 IC1.4 U1.1 U1.5 U1.6 U1.10 U1.11 U1.12 U1.13 U1.14 U1.16 U1.17 U1.19 U1.20 ZD1.1 ZD1.2

## Keep-outs
Keep-Out Layer:
  lines w0.254: 0.098,0.013 0.098,49.175 61.873,49.175 61.873,0.013 0.098,0.013

## Other copper
Top Layer:
  region net VCC: 47.914,20.236 48.118,20.032 48.118,19.9 47.135,18.917 46.871,18.917 45.984,19.804 45.984,23.39 47.303,23.39 47.447,23.533 47.507,23.473 47.507,20.608
  region net 3V3: 29.089,21.732 42.864,21.732 43.992,22.86 43.992,25.908 44.494,26.41 46.078,26.41 46.078,25.427 45.414,25.427 45.095,25.427 44.946,25.278 44.946,22.026 43.16,20.24 28.694,20.241
  region net BL_3V3: 26.299,21.736 23.7,21.736 23.025,21.061 23.025,19.419 23.227,19.217 23.237,19.228 23.64,19.228 23.64,19.842 24.053,20.255 26.259,20.255
  region: 26.118,21.726
Bottom Layer:
  region net VCC: 57.442,8.361
  region net VCC: 57.425,3.624 57.402,3.646 57.402,8.376 46.214,19.564 46.214,20.992 47.169,20.992 59.282,8.879 59.282,3.579

## Silkscreen, mask and mechanical layers (free items; w line width, h text height)
Top Overlay:
  lines w0.254: 0.251,19.941 18.421,19.941 18.421,27.261 40.918,27.261 49.89,36.234 61.782,36.234 ; 1.608,0.072 1.608,1.296 0.828,1.296 0.828,2.222 2.095,2.222 2.095,3.107 0.884,3.107 0.884,4.023 4.144,4.023 ; 19.748,28.579 19.754,28.579 ; 19.748,29.3 19.986,29.3 ; 19.748,30.021 20.357,30.021 ; 19.748,30.742 21.052,30.742 ; 19.748,31.464 21.748,31.464 ; 19.748,32.185 22.374,32.185 ; 19.748,32.906 23,32.906 ; 19.748,33.627 23.78,33.627 ; 20.151,28.579 24.183,28.579 ; 20.932,29.3 24.183,29.3 ; 21.558,30.021 24.183,30.021 ; 22.184,30.742 24.183,30.742 ; 22.879,31.464 24.183,31.464 ; 23.575,32.185 24.183,32.185 ; 23.946,32.906 24.183,32.906 ; 24.178,33.627 24.183,33.627 ; 41.128,28.856 49.198,36.925 ; 41.164,35.837 46.857,41.529
  text "_" at 53.357,47.438 h1.27
  text "_" at 45.997,45.175 h1.27
  text "+" at 51.486,44.764 h1.27
  text "ViTech" at 42.911,34.182 h2.54 r45
  text "V3" at 58.61,33.951 h1
  text "DAT" at 58.61,31.309 h1
  text "Solutions" at 41.544,29.993 h2.03 r45
  text "CLK" at 58.61,28.641 h1
  text "RST" at 58.61,26.158 h1
  text "GND" at 58.599,23.575 h1
  text "+" at 58.684,7.411 h2
  text "-" at 50.042,7.281 h2

## Dimensions
0.092,49.312 to 61.879,49.033 on Top Overlay
-0.398,48.537 to -1.087,0.032 on Top Overlay